# Altium PCB PCB2_bak.PcbDoc
Units mil, origin at the board's own origin, x right, y up, seen from the top; angles counter-clockwise.
Board outline 600 x 1690 mil, 2 copper layers (Top Layer, Bottom Layer), stack 61.756 mil thick; 62 components, 59 nets, 262 pads, 74 vias.
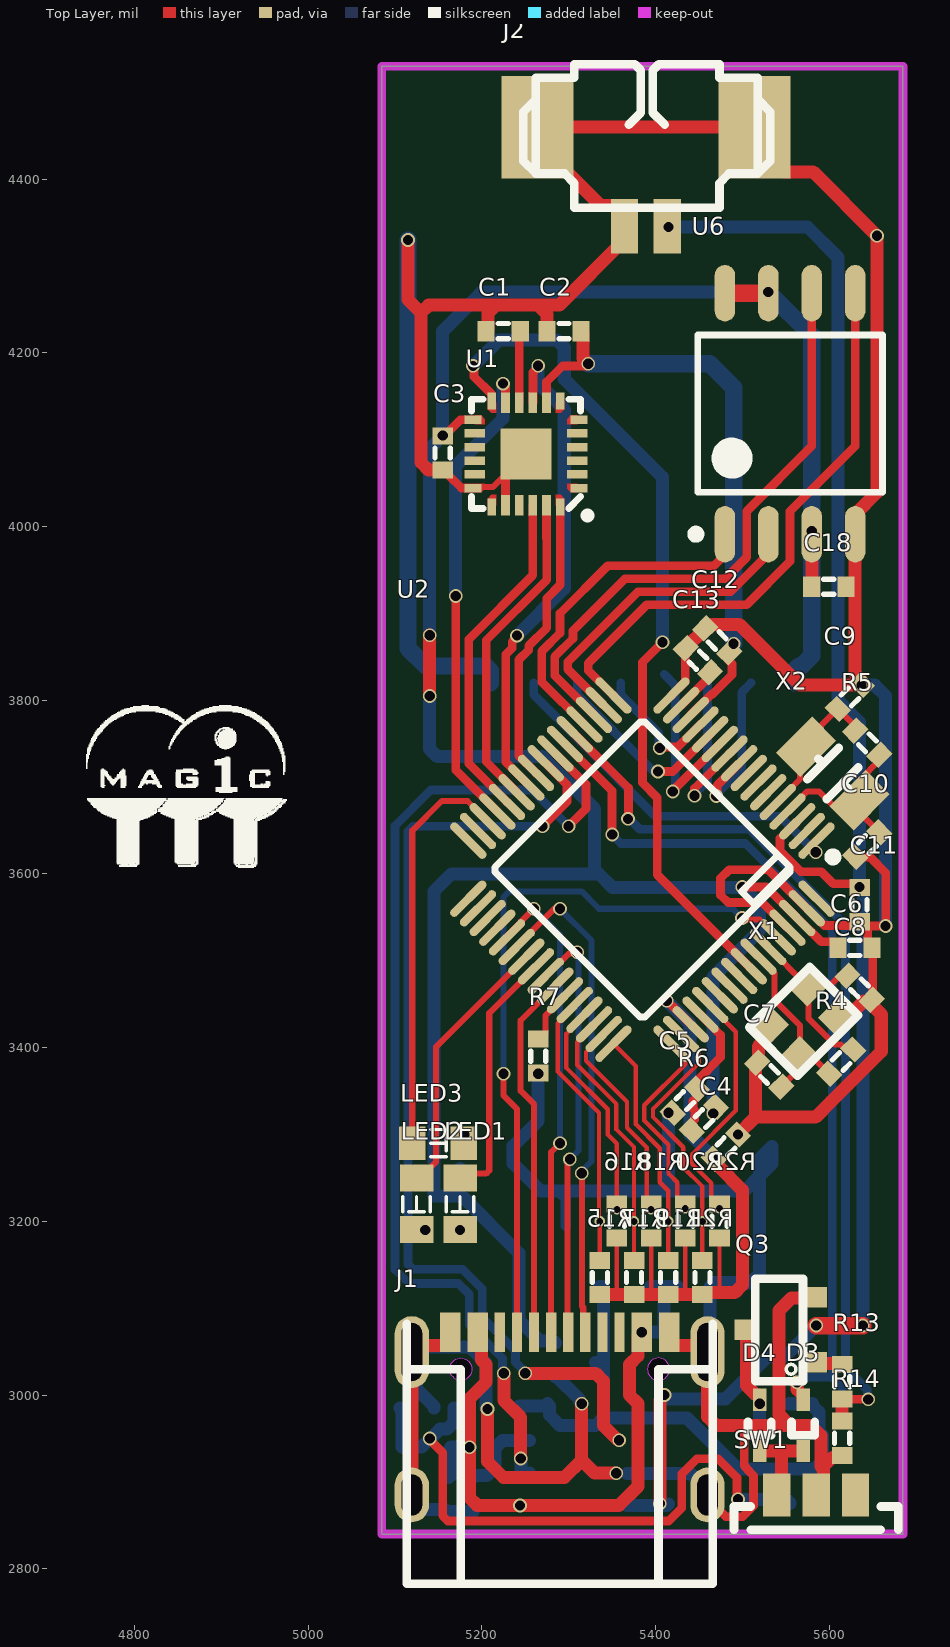
[diagram p0: Top Layer view]
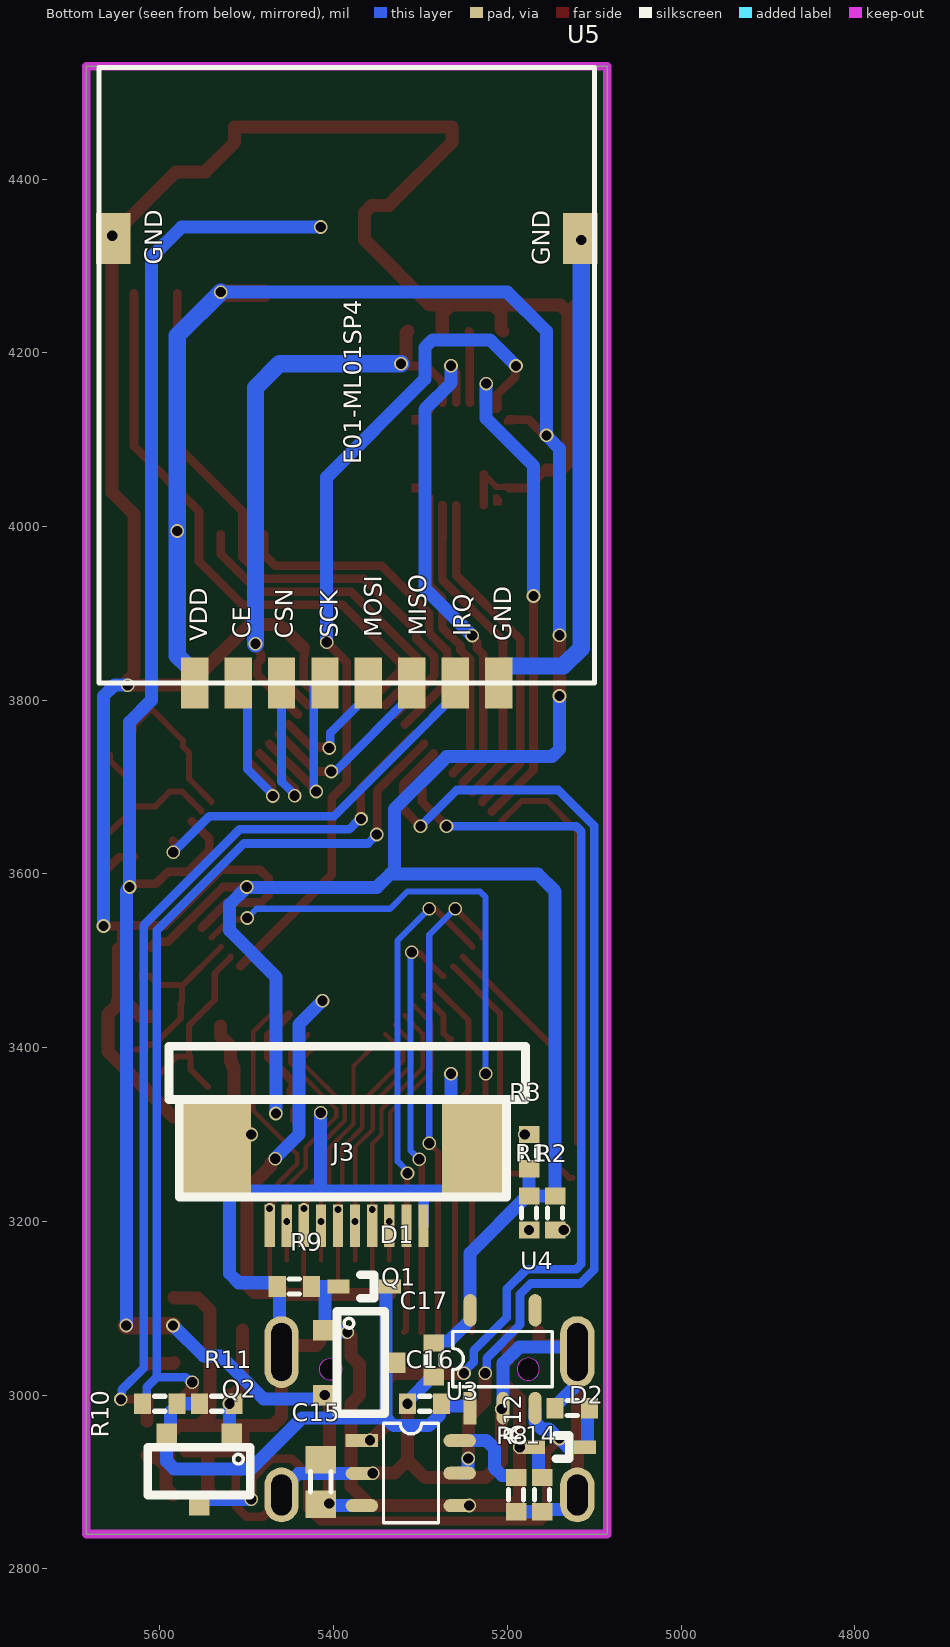
[diagram p1: Bottom Layer view, seen from below]
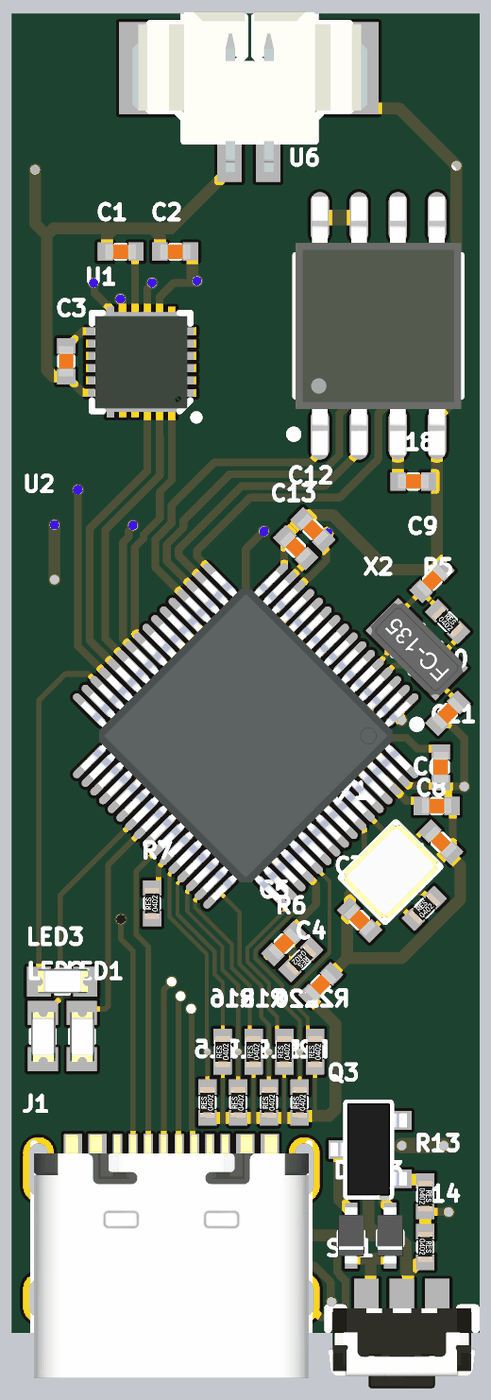
[diagram p2: 3D render of the assembled board from above, using the file's embedded part models]
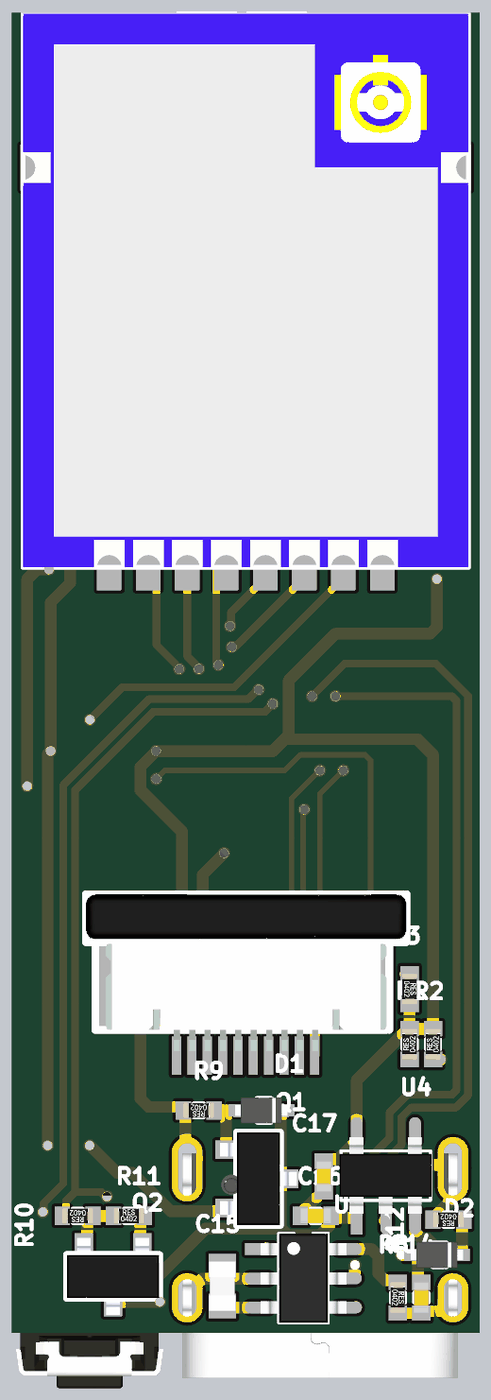
[diagram p3: 3D render of the assembled board from below, using the file's embedded part models]

## Layer stack, top to bottom
Top Solder: solder mask 1, SM-001, Dk 4
Top Layer: signal copper 1.378
Dielectric 1: core 59, Core-043, Dk 4.3
Bottom Layer: signal copper 1.378
Bottom Solder: solder mask 1, SM-001, Dk 4

## Board outline
5085,2840 5085,4530 5685,4530 5685,2840

## Design rules (kind name [scope] priority, off if disabled: settings)
Clearance [All] p1: gap=5 ignorepadtopadclearanceinfootprint=FALSE
PolygonConnect [All] p1: connectstyle=Relief reliefconductorwidth=10 reliefentries=4 polygonreliefangle="90 Angle" airgapwidth=10
RoutingVias [All] p1: holewidth=28 width=50 viastyle="Through Hole" minholewidth=7.87 minwidth=11.81 maxholewidth=28 maxwidth=50
SolderMaskExpansion [All] p1: expansion=4 istentingtop=FALSE
Width [All] p1: maxlimit=40 minlimit=4 preferedwidth=10 minimp=50.000000 maximp=50.000000 favimp=50.000000
30 further rules are at their usual default settings.

## Classes and differential pairs
net class ADC[0..7]: ADC0 ADC1 ADC2 ADC3 ADC4 ADC5 ADC6 ADC7
component class U_W25Q128: C18 U6
component class U_Pressure: J3 R15 R16 R17 R18 R19 R20 R21 R22
component class U_Power: C14 C15 C16 C17 D1 D2 D3 D4 Q1 Q2 Q3 R8 R9 R10 R11 R12 R13 R14 SW1 U3 U4
component class U_NRF24L01_PA_LNA: U5
component class U_NANO103: C4 C5 C6 C7 C8 C9 C10 C11 C12 C13 R4 R5 R6 R7 U2 X1 X2
component class U_ICM_20948: C1 C2 C3 U1
component class Sheet1: J1 J2 LED1 LED2 LED3 R1 R2 R3

## Components (designator, comment, footprint, x,y, rotation, side; value= is the part's Value field where it differs from the comment)
C1 "Cap" CAP_0402 5244.37,4225 r180 top value=0.1uf
C2 "Cap" CAP_0402 5314.37,4225 r180 top value=0.1uf
C3 "Cap" CAP_0402 5155,4104.37 r270 top value=0.1uf
C4 "Cap" CAP_0402 5495,3300 r225 top value=0.1uF
C5 "Cap" CAP_0402 5420,3325 r45 top value=0.1uF
C6 "Cap" CAP_0402 5649.37,3515 r180 top value=0.1uF
C7 "Cap" CAP_0402 5545,3355 r135 top value=22pF
C8 "Cap" CAP_0402 5621.09,3482.84 r315 top value=22pF
C9 "Cap" CAP_0402 5610,3790 r45 top value=22pF
C10 "Cap" CAP_0402 5657.84,3647.84 r225 top value=22pF
C11 "Cap" CAP_0402 5635,3545 r90 top value=0.1uF
C12 "Cap" CAP_0402 5457.16,3882.84 r315 top value=0.1uF
C13 "Cap" CAP_0402 5435,3860 r315 top value=0.1uF
C14 "Cap" CAP_0402 5160,2905 r270 bottom value=1uF
C15 "Cap" Cap_0603 5415,2900 r90 bottom value=10uF
C16 "Cap" CAP_0402 5275.63,2990 r0 bottom value=1uF
C17 "Cap" CAP_0402 5285,3060 r270 bottom value=1uF
C18 "Cap" CAP_0402 5580,3930.71 r0 top value=0.1uF
D1 "B5819WT" SOD-523 5365,3125 r180 bottom
D2 "B5819WT" SOD-523 5140,2940 r180 bottom
D3 "B5819WT" SOD-523 5570,2965 r270 top
D4 "B5819WT" SOD-523 5520,2965 r270 top
J1 "USB TYPE C" USBC-SMD16F 5119.45,2885 r0 top
J2 "Plug2" Terminal_block_2pin_1.25mm_SMD 5390,4460 r0 top
J3 "Plug10" FPC0.5-10PS 5296.57,3195 r0 bottom
LED1 "LED" SMD-0603_LED 5175,3190.55 r90 top
LED2 "LED" SMD-0603_LED 5125,3190.55 r90 top
LED3 "LED" SMD-0603_LED 5179.45,3290 r180 top
Q1 "SI2301DS-T1" SOT-23 5331.26,3037.4 r270 bottom
Q2 "SI2301DS-T1" SOT-23 5555,2875 r0 bottom
Q3 "MMS9013L-TP" SOT-23 5505,3075 r90 top
R1 "Res" RES_0402 5175,3190 r90 bottom value=1K
R2 "Res" RES_0402 5145,3190 r90 bottom value=1K
R3 "Res" RES_0402 5175,3300 r270 bottom value=1K
R4 "Res" RES_0402 5600,3370 r45 top value=1M
R5 "Res" RES_0402 5630,3765 r315 top value=1M
R6 "Res" RES_0402 5469.69,3332.12 r225 top value=0
R7 "Res" RES_0402 5265,3370.63 r90 top value=0
R8 "Res" RES_0402 5190,2905 r270 bottom value=2.2K
R9 "Res" RES_0402 5425.63,3125 r0 bottom value=100K
R10 "Res" RES_0402 5580.63,2990 r0 bottom value=10K
R11 "Res" RES_0402 5554.37,2990 r180 bottom value=100K
R12 "Res" RES_0402 5105.63,2985 r0 bottom value=100K
R13 "Res" RES_0402 5615,3035 r270 top value=2.2K
R14 "Res" RES_0402 5615,2970 r270 top value=10K
R15 "Res" RES_0402 5335.94,3115.63 r90 top value=10K
R16 "Res" RES_0402 5355.63,3180.63 r90 top value=10K
R17 "Res" RES_0402 5375.31,3115.63 r90 top value=10K
R18 "Res" RES_0402 5395,3180.63 r90 top value=10K
R19 "Res" RES_0402 5414.68,3115.63 r90 top value=10K
R20 "Res" RES_0402 5434.37,3180.63 r90 top value=10K
R21 "Res" RES_0402 5454.05,3115.63 r90 top value=10K
R22 "Res" RES_0402 5473.74,3180.63 r90 top value=10K
SW1 "SPST" ST01-111 5630.28,2885 r180 top
U1 "ICM-20948" QFN_24_3X3 5250.94,4083.62 r180 top
U2 "NANO103SD3AE" MCU_LQFP_64_7x7 5385,3605 r225 top
U3 "TP4059" SOT23-6 5342.68,2967.52 r180 bottom
U4 "AP2112K-3.3TRG1" SOT23-5 5262.87,3009.8 r90 bottom
U5 "NRF24L01" NRF24L01P+PA+LNA+IPX 5670.43,4528.66 r180 bottom
U6 "Flash" "8-Pin SOIC 208-mil" 5555,4130 r90 top
X1 "Xtal" 2520S 5610.93,3435.93 r225 top value=12MHz
X2 "Xtal" FC-135 5660.33,3754.32 r135 top value=32.768KHz

## Footprints (in the part's own frame and the unit in brackets; to place one, negate y for a bottom-side part, rotate by r counter-clockwise, add the part's x,y. Pads: shape width x height; smd on the part's side, far side on the other; paste and mask are expansions set on the pad)
"8-Pin SOIC 208-mil" [mm]
  oval 1.65x0.6 smd: 1(-3.525,1.905) 2(-3.525,0.635) 3(-3.525,-0.635) 4(-3.525,-1.905) 5(3.525,-1.905) 6(3.525,-0.635) 7(3.525,0.635) 8(3.525,1.905)
  silkscreen extent -3.65,-2.7 2.3,2.88, body extent -4.2,-2.69 4.2,2.69, height 2.3
2520S [mm]
  rect 0.9x0.8 smd: 1(0,-1.25) 2(1.65,0) ""(0,0) ""(1.65,-1.25)
  silkscreen extent -0.43,-1.63 2.07,0.37, body extent -0.49,-1.69 2.11,0.41, height 0.55
CAP_0402 [mm]
  rect 0.5x0.6 smd: 1(0,0) 2(1,0)
  silkscreen extent 0.35,-0.22 0.65,0.22, body extent 0,-0.25 1,0.25, height 0.48
Cap_0603 [mm]
  rect 0.8x0.9 smd: 1(-0.65,0) 2(0.65,0)
  silkscreen extent -0.3,-0.3 0.3,0.3, body extent -0.8,-0.43 0.8,0.43, height 0.83
FC-135 [mm]
  rect 1x1.5 smd: 1(-0.79,1.7) 2(1.42,1.7)
  silkscreen extent -0.29,1.05 0.92,2.35, body extent -1.28,0.95 1.92,2.45, height 0.8
FPC0.5-10PS [mm]
  rect 0.3x1.25 smd: 1(0,0) 2(0.5,0) 3(1,0) 4(1.5,0) 5(2,0) 6(2.5,0) 7(3,0) 8(3.5,0) 9(4,0) 10(4.5,0)
  rect 2x3 smd: ""(-1.54,-2.325) ""(6.04,-2.32)
  silkscreen extent -2.99,-5.25 7.44,-0.84, body extent -2.99,-5.25 7.44,-0.14, height 2.03
MCU_LQFP_64_7x7 [mm]
  oval 1.4x0.25 smd: 1(-4.2,3) 2(-4.2,2.6) 3(-4.2,2.2) 4(-4.2,1.8) 5(-4.2,1.4) 6(-4.2,1) 7(-4.2,0.6) 8(-4.2,0.2) 9(-4.2,-0.2) 10(-4.2,-0.6) 11(-4.2,-1) 12(-4.2,-1.4) 13(-4.2,-1.8) 14(-4.2,-2.2) 15(-4.2,-2.6) 16(-4.2,-3) 33(4.2,-3) 34(4.2,-2.6) 35(4.2,-2.2) 36(4.2,-1.8) 37(4.2,-1.4) 38(4.2,-1) 39(4.2,-0.6) 40(4.2,-0.2) 41(4.2,0.2) 42(4.2,0.6) 43(4.2,1) 44(4.2,1.4) 45(4.2,1.8) 46(4.2,2.2) 47(4.2,2.6) 48(4.2,3)
  oval 0.25x1.4 smd: 17(-3,-4.2) 18(-2.6,-4.2) 19(-2.2,-4.2) 20(-1.8,-4.2) 21(-1.4,-4.2) 22(-1,-4.2) 23(-0.6,-4.2) 24(-0.2,-4.2) 25(0.2,-4.2) 26(0.6,-4.2) 27(1,-4.2) 28(1.4,-4.2) 29(1.8,-4.2) 30(2.2,-4.2) 31(2.6,-4.2) 32(3,-4.2) 49(3,4.2) 50(2.6,4.2) 51(2.2,4.2) 52(1.8,4.2) 53(1.4,4.2) 54(1,4.2) 55(0.6,4.2) 56(0.2,4.2) 57(-0.2,4.2) 58(-0.6,4.2) 59(-1,4.2) 60(-1.4,4.2) 61(-1.8,4.2) 62(-2.2,4.2) 63(-2.6,4.2) 64(-3,4.2)
  silkscreen extent -4.32,-3.1 3.1,3.8, body extent -4.5,-4.5 4.5,4.5, height 1.55
NRF24L01P+PA+LNA+IPX [mm]
  rect 0.8x1.5 smd: 1(2.805,-18) 2(4.075,-18) 3(5.345,-18) 4(6.615,-18) 5(7.885,-18) 6(9.155,-18) 7(10.425,-18) 8(11.695,-18)
  rect 1x1.5 smd: 9(14.08,-5) 10(0.42,-5)
  silkscreen extent 0,-18 14.5,0, body extent 0,-18 14.5,0, height 2.6
QFN_24_3X3 [mm]
  rect 0.495x0.25 smd paste-1: 1(-1.552,1) 6(-1.552,-1) 18(1.552,1)
  rect 0.6x0.25 smd paste-1: 2(-1.5,0.6) 3(-1.5,0.2) 4(-1.5,-0.2) 5(-1.5,-0.6) 14(1.5,-0.6) 15(1.5,-0.2) 16(1.5,0.2) 17(1.5,0.6)
  rect 0.25x0.495 smd paste-1: 7(-1,-1.552) 24(-1,1.552)
  rect 0.25x0.6 smd paste-1: 8(-0.6,-1.5) 9(-0.2,-1.5) 10(0.2,-1.5) 11(0.6,-1.5) 20(0.6,1.5) 21(0.2,1.5) 22(-0.2,1.5) 23(-0.6,1.5)
  rect 0.25x0.495 smd: 12(1,-1.552) 19(1,1.552)
  rect 0.495x0.25 smd: 13(1.552,-1)
  rect 1.49x1.49 smd: 25(0,0)
  Top Layer region: 1.125,-1.305 1.125,-1.5 0.875,-1.5 0.875,-1.2 1.02,-1.2
  Top Layer region: -0.875,1.2 -1.02,1.2 -1.125,1.305 -1.125,1.5 -0.875,1.5
  Top Layer region: 1.125,1.305 1.02,1.2 0.875,1.2 0.875,1.5 1.125,1.5
  Top Layer region: 1.5,0.875 1.2,0.875 1.2,1.02 1.305,1.125 1.5,1.125
  Top Layer region: 1.5,-1.125 1.305,-1.125 1.2,-1.02 1.2,-0.875 1.5,-0.875
  Top Layer region: -1.2,-1.02 -1.305,-1.125 -1.5,-1.125 -1.5,-0.875 -1.2,-0.875
  Top Layer region: -0.875,-1.5 -1.125,-1.5 -1.125,-1.305 -1.02,-1.2 -0.875,-1.2
  Top Layer region: -1.2,1.02 -1.2,0.875 -1.5,0.875 -1.5,1.125 -1.305,1.125
  silkscreen extent -1.87,-1.6 1.6,1.87, body extent -1.51,-1.5 1.5,1.51, height 0.98
RES_0402 [mm]
  rect 0.5x0.6 smd: 1(0,0) 2(1,0)
  silkscreen extent 0.35,-0.22 0.65,0.22, body extent 0,-0.25 1,0.25, height 0.35
SMD-0603_LED [mm]
  rect 0.78x0.98 smd: 1(0,0) 2(1.51,0)
  silkscreen extent 0.52,-0.4 0.97,0.4, body extent -0.08,-0.41 1.54,0.45, height 0.6
SOD-523 [mm] "SODFL, 2-Leads, Body 0.80x1.60mm, IPC Medium Density"
  rect 0.65x0.4 smd: 1(-0.75,0) 2(0.75,0)
  silkscreen extent -0.11,-0.34 0.29,0.34, body extent -0.92,-0.42 0.91,0.42, height 0.71
SOT23-5 [mm]
  rect 0.95x0.38 smd: 1(-0.63,-0.51)
  oval 0.95x0.38 smd: 2(-0.63,-1.47) 3(-0.63,-2.41) 4(2.23,-2.41) 5(2.23,-0.51)
  silkscreen extent 0,-2.91 1.61,0, body extent -0.44,-2.95 2.06,0.05, height 1.09
SOT23-6 [mm]
  rect 0.95x0.38 smd: 1(-0.63,-0.51)
  oval 0.95x0.38 smd: 2(-0.63,-1.47) 3(-0.63,-2.41) 4(2.23,-2.41) 5(2.227,-1.461) 6(2.23,-0.51)
  silkscreen extent 0,-2.91 1.61,0, body extent -0.59,-2.91 2.21,-0.01, height 1.45
SOT-23 [mm]
  rect 0.6x0.7 smd: 1(-0.95,-2) 2(0.95,-2) 3(0,0)
  silkscreen extent -1.5,-1.65 1.5,-0.25, body extent -1.5,-2.2 1.5,0.3, height 1.05
ST01-111 [mm]
  rect 0.8x1.25 smd: 1(0,0) 1(2.3,0) 2(1.15,0)
  silkscreen extent -1.25,0.34 3.55,1.02, body extent -1.25,0.34 3.55,2.94, height 1.05
Terminal_block_2pin_1.25mm_SMD [mm]
  rect 0.8x1.6 smd: 1(-0.65,-2.9) 2(0.6,-2.9)
  rect 2.1x3 smd: ""(-3.2,0) ""(3.15,0)
  silkscreen extent -3.61,-2.36 3.61,1.84, body extent -3.83,-3.37 3.82,1.83, height 3.4
USBC-SMD16F [mm]
  rect 0.6x1.15 smd: 1(1.125,4.76) 2(1.925,4.76) 11(6.725,4.76) 12(7.525,4.76)
  rect 0.3x1.15 smd: 3(2.575,4.76) 4(3.075,4.76) 5(3.575,4.76) 6(4.075,4.76) 7(4.575,4.76) 8(5.075,4.76) 9(5.575,4.76) 10(6.075,4.76)
  oval 1x1.6 hole 0.6 slot 1.2 at 90 deg: ""(0,0) ""(8.65,0)
  oval 1x2.1 hole 0.6 slot 1.7 at 90 deg: ""(0,4.18) ""(8.65,4.18)
  Keep-Out Layer board cut-out: 6.89,3.68 6.915,3.556 6.985,3.45 7.091,3.38 7.215,3.355 7.215,3.355 7.339,3.38 7.445,3.45 7.515,3.556 7.54,3.68 7.54,3.68 7.515,3.804 7.445,3.91 7.339,3.98 7.215,4.005 7.215,4.005 7.091,3.98 6.985,3.91 6.915,3.804 6.89,3.68
  Keep-Out Layer board cut-out: 1.435,3.355 1.311,3.38 1.205,3.45 1.135,3.556 1.11,3.68 1.11,3.68 1.135,3.804 1.205,3.91 1.311,3.98 1.435,4.005 1.435,4.005 1.559,3.98 1.665,3.91 1.735,3.804 1.76,3.68 1.76,3.68 1.735,3.556 1.665,3.45 1.559,3.38 1.435,3.355
  Keep-Out Layer pour cut-out: 1.31,3.87
  silkscreen extent -0.15,-2.6 8.8,5, body extent -0.15,-2.6 8.8,5.3, height 3.16

## Part data
D1 D2 D3 D4: "Diode Schottky 40V 1A 2-Pin SOD-523 T/R", Average Rectified Current=1A, Forward Voltage=550mV, Manufacturer=MCC, Manufacturer Part Number=B5819W-TP, Max Forward Surge Current (Ifsm)=10A, Max Operating Temperature=125°C, Max Power Dissipation=250mW, Max Repetitive Reverse Voltage (Vrrm)=40V, Max Reverse Voltage (DC)=20V, Min Operating Temperature=-65°C, Package Quantity=3000, Peak Reverse Current=1mA, Category="Rectifier Diodes", ComponentLink1Description=https://datasheet.ciiva.com/6378/b5817w-b5819wsod-123-6378255.pdf?src-supplier=Digi-Key, ComponentLink1URL=https://datasheet.ciiva.com/6378/b5817w-b5819wsod-123-6378255.pdf?src-supplier=Digi-Key, Element Configuration=Single, Forward Current=1A, Mount="Surface Mount", Packaging="Tape and Reel", Pricing 1="1=0.38000, 10=0.28000, 25=0.24520, 100=0.13300, 250=0.13232, 500=0.10850, 1000=0.08050 (USD)", Reverse Voltage (DC)=40V, RoHS=Yes, Stock 1=1380, Supplier 1=Digi-Key, Supplier Part Number 1=B5819WT
J1: "USB Shielded I/O Receptacle; Type C; Right Angle; Surface Mount; Gold over Nickel", Case/Package=0101, Current Rating=5A, Flammability Rating="UL94 V-0", Insulation Color=Black, Manufacturer=Molex, Manufacturer Part Number=105450-0101, Max Operating Temperature=85°C, Min Operating Temperature=-30°C, Supplier Part Number 1=WM12856DKR-ND, Category=Connectors, ComponentLink1Description=http://www.farnell.com/datasheets/2801634.pdf?src-supplier=Farnell, ComponentLink1URL=http://www.farnell.com/datasheets/2801634.pdf?src-supplier=Farnell, ComponentLink2Description=http://www.farnell.com/datasheets/2672741.pdf?src-supplier=Newark, ComponentLink2URL=http://www.farnell.com/datasheets/2672741.pdf?src-supplier=Newark, ComponentLink3Description=http://www.farnell.com/datasheets/2015275.pdf?src-supplier=Element14, ComponentLink3URL=http://www.farnell.com/datasheets/2015275.pdf?src-supplier=Element14, ComponentLink4Description=https://www.molex.com/pdm_docs/ps/PS-105448-001.pdf?src-supplier=Digi-Key, ComponentLink4URL=https://www.molex.com/pdm_docs/ps/PS-105448-001.pdf?src-supplier=Digi-Key, ComponentLink5Description=http://www.farnell.com/datasheets/2801634.pdf?src-supplier=Newark, ComponentLink5URL=http://www.farnell.com/datasheets/2801634.pdf?src-supplier=Newark, ComponentLink6Description=https://www.molex.com/pdm_docs/sd/1054500101_sd.pdf?src-supplier=Digi-Key, ComponentLink6URL=https://www.molex.com/pdm_docs/sd/1054500101_sd.pdf?src-supplier=Digi-Key, ComponentLink7Description=http://www.farnell.com/datasheets/2801634.pdf?src-supplier=Element14, ComponentLink7URL=http://www.farnell.com/datasheets/2801634.pdf?src-supplier=Element14, ComponentLink8Description=http://www.literature.molex.com/SQLImages/kelmscott/Molex/PDF_Images/987651-4081.PDF?src-supplier=Avnet, ComponentLink8URL=http://www.literature.molex.com/SQLImages/kelmscott/Molex/PDF_Images/987651-4081.PDF?src-supplier=Avnet, ComponentLink9Description=http://www.literature.molex.com/SQLImages/kelmscott/Molex/PDF_Images/987651-4081.PDF?src-supplier=Avnet+Asia, ComponentLink9URL=http://www.literature.molex.com/SQLImages/kelmscott/Molex/PDF_Images/987651-4081.PDF?src-supplier=Avnet+Asia, Connector Type=USB, Contact Material="Copper Alloy", Contact Plating=Gold, Features=Shielded, Gender=Receptacle, Housing Material=Thermoplastic, Length=8.94mm, Mating Cycles=10000, Mount="Surface Mount,Through Hole,Horizontal", Number of Contacts=24, Number of Pins=24, Number of Ports=1, Number of Terminals=24, Orientation="Right Angle", Packaging="Tape and Reel", Pitch=0.5mm, Pricing 1="1=2.15000, 10=1.94900, 25=1.82960, 50=1.75000, 100=1.67050, 250=1.51140, 500=1.39208 (USD)", REACH SVHC=Unknown, RoHS=Yes, Shielding=Shielded, Stock 1=21711, Supplier 1=Digi-Key, Termination=Solder, USB Standard="USB 3.1"
Q1 Q2: "Trans MOSFET P-CH 20V 2.3A 3-Pin TO-236 T/R", Case/Package=SOT-23-3, Continuous Drain Current (ID)=2.3A, Drain to Source Resistance=130mR, Drain to Source Voltage (Vdss)=-20V, Gate to Source Voltage (Vgs)=8V, Manufacturer="Vishay Siliconix", Max Operating Temperature=150°C, Max Power Dissipation=1.25W, Min Operating Temperature=-55°C, Package Quantity=3000, Category=MOSFETs, ComponentLink1Description=https://datasheet.ciiva.com/13048/70627-115154-13048148.pdf?src-supplier=Mouser, ComponentLink1URL=https://datasheet.ciiva.com/13048/70627-115154-13048148.pdf?src-supplier=Mouser, Element Configuration=Single, Fall Time=36ns, Height=1.02mm, Length=3.04mm, Manufacturer Part Number=SI2301DS-T1, Mount="Surface Mount", Number of Channels=1, Number of Elements=1, Number of Pins=3, Packaging="Tape and Reel", Polarity=P-CH, Power Dissipation=1.25W, Pricing 1="143=0.17500, 500=0.15000, 1000=0.10000, 5000=0.09000, 10000=0.08000 (USD)", Rise Time=36ns, RoHS=No, Stock 1=12531, Supplier 1="Component Sense", Supplier Part Number 1=SI2301DS-T1, Turn-Off Delay Time=42ns, Turn-On Delay Time=13ns, Weight=0.050717oz, Width=1.4mm
Q3: "Trans GP BJT NPN 25V 0.5A 3-Pin SOT-23 T/R", Case/Package=SOT-23, Collector Base Voltage (VCBO)=40V, Collector Emitter Voltage (VCEO)=25V, Emitter Base Voltage (VEBO)=5V, Frequency=150MHz, Manufacturer=MCC, Max Operating Temperature=150°C, Min Operating Temperature=-55°C, Power Dissipation=300mW, Supplier Part Number 1=MMS9013-L-TP, Category=BJTs, ComponentLink1Description=http://components.arrow.com/part/dataview/51062823S110403N2022?src-supplier=Arrow, ComponentLink1URL=http://components.arrow.com/part/dataview/51062823S110403N2022?src-supplier=Arrow, Manufacturer Part Number=MMS9013L-TP, Mount="Surface Mount", Number of Elements=1, Number of Pins=3, Packaging="Tape and Reel", Polarity=NPN, RoHS=Yes, Supplier 1=Arrow
SW1: library part Switch_Button1
U1: "Accelerometer, Gyroscope, Magnetometer, 9 Axis Sensor IÂ²C, SPI Output", Package="QFN-24 InvenSense", Availability=Unavailable, MF="TDK InvenSense", MP=ICM-20948, Price=None, SnapEDA_Link=https://www.snapeda.com/parts/ICM-20948/TDK%20InvenSense/view-part/578927/?ref=snap
U3: "600MA SOT23-6", ComponentLink1Description=Datasheet, ComponentLink1URL=http://www.tp-asic.com/res/tp-asic/pdres/201403/TP4059.pdf
U4: "IC REG LINEAR 3.3V 600MA SOT23-5", Case/Package=SOT-23-5, Dropout Voltage=250mV, Manufacturer=Diodes, Max Input Voltage=6V, Max Operating Temperature=85°C, Max Output Current=600mA, Min Input Voltage=2.5V, Min Operating Temperature=-40°C, Output Voltage=3.3V, Package Quantity=1, Quiescent Current=55uA, Supplier Part Number 1=AP2112K-3.3TRG1DICT-ND, Accuracy=1.5%, Category="Voltage Regulators - Linear", ComponentLink1Description=https://datasheet.ciiva.com/29569/ap2112-29569919.pdf?src-supplier=Digi-Key, ComponentLink1URL=https://datasheet.ciiva.com/29569/ap2112-29569919.pdf?src-supplier=Digi-Key, ComponentLink2Description=https://datasheet.ciiva.com/30016/ap2112-30016792.pdf?src-supplier=Avnet, ComponentLink2URL=https://datasheet.ciiva.com/30016/ap2112-30016792.pdf?src-supplier=Avnet, ComponentLink3Description=https://datasheet.ciiva.com/29569/ap2112-29569917.pdf?src-supplier=Digi-Key, ComponentLink3URL=https://datasheet.ciiva.com/29569/ap2112-29569917.pdf?src-supplier=Digi-Key, ComponentLink4Description=https://datasheet.ciiva.com/29569/ap2112-29569918.pdf?src-supplier=Digi-Key, ComponentLink4URL=https://datasheet.ciiva.com/29569/ap2112-29569918.pdf?src-supplier=Digi-Key, Height=1.3mm, Lead Free="Lead Free", Length=3.1mm, Manufacturer Part Number=AP2112K-3.3TRG1, Mount="Surface Mount", Number of Outputs=1, Number of Pins=5, Number of Regulators=1, Output Current=600mA, Output Type=Fixed, Packaging="Tape and Reel", Polarity=Positive, Pricing 1="1=0.47000, 10=0.35500, 25=0.32000, 100=0.17450, 250=0.16872, 500=0.15126, 1000=0.11636 (USD)", RoHS=Yes, Stock 1=54786, Supplier 1=Digi-Key, Width=1.7mm
U5: library part NRF24L01_module
U6: library part W25QXX
U2: OriginalSymbolOrigin=(0,0)

## Via types
v1: diameter 15.75, hole 11.81, Top Layer to Bottom Layer, tented both sides, 66 vias
v2: diameter 11.81, hole 7.87, Top Layer to Bottom Layer, tented both sides, 8 vias

## Nets (pads, with @x,y where several pads share a name; then routed paths per layer and width w, separated by ;. In a path a pad name is that pad's centre, name@x,y a point inside that pad or via, vN(x,y) a via of type N, cw(c..) or ccw(c..) an arc to the next point about the centre after c; other vN are vias at no path point)
12M_I: C7.1 R4.1 U2.58 X1.2 | length 221.7
  Top Layer w7: U2.58 5518.63,3504.01 5536.92,3485.72 5536.92,3455.16 5566.39,3425.68 5566.39,3391.39 X1.2 ; C7.1 5565,3375 X1.2 ; R4.1 5580,3390 X1.2
12M_O: C8.1 R4.2 U2.59 X1.1 | length 219.8
  Top Layer w7: U2.59 5574.94,3470.73 X1.1 ; C8.1 5612.12,3482.84 5601.41,3472.12 5577.53,3472.12 X1.1 ; R4.2 5618.87,3397.84 5612.94,3403.77 5606.02,3403.77 5576.14,3433.66 5576.14,3450.63 5574.74,3452.02 5574.74,3469.34 X1.1
/RESET: J1.4 U2.60 | length 847.8
  Top Layer w7: v1(5225,3370) 5225,3345 5240.51,3329.49 J1.4 ; v1(5499.63,3549.25) 5500,3549.25 5501.67,3547.58 5519.6,3547.58 5540.13,3527.05 U2.60
  Bottom Layer w7: v1(5225,3370) 5225,3573.16 5231.84,3580 5315,3580 5335,3560 5488.88,3560 v1(5499.63,3549.25)
ADC0: J3.3 R15.2 U2.44 | length 322.3
  Top Layer w5: U2.44 5307.05,3447.79 5287.42,3428.16 5287.42,3372.58 5335,3325 5335,3200.95 v2(5335.94,3200) R15.2
ADC1: J3.4 R16.2 U2.45 | length 250.7
  Top Layer w5: U2.45 5318.19,3436.66 5297.42,3415.89 5297.42,3376.73 5345,3329.14 5345,3300 5355.63,3289.37 R16.2
  other v2: 5355.63,3213.7
ADC2: J3.5 R17.2 U2.46 | length 306.9
  Top Layer w5: U2.46 5329.32,3425.52 5310,3406.2 5310,3380 5355,3335 5355,3305.86 5375.31,3285.54 v2(5375.31,3200) R17.2
ADC3: J3.6 R18.2 U2.47 | length 235.2
  Top Layer w5: U2.47 5340.46,3415.46 5320,3395 5320,3385 5326.71,3378.29 5367.19,3337.81 5367.19,3307.81 5390,3285 5390,3225 R18.2
  other v2: 5395,3213.7
ADC4: J3.7 R19.2 U2.48 | length 275.7
  Top Layer w5: U2.48 5377.19,3378.96 5377.19,3311.95 5405,3284.14 5405,3245 5414.69,3235.32 v2(5414.69,3200) R19.2
ADC5: J3.8 R20.2 U2.49 | length 231.3
  Top Layer w5: U2.49 5434.27,3388.69 5434.27,3380.73 5387.19,3333.64 5387.19,3316.1 5415,3288.28 5415,3255 5425.06,3244.94 5425.06,3227.34 5432.4,3220 R20.2
  other v2: 5434.37,3215
ADC6: J3.9 R21.2 U2.50 | length 314.6
  Top Layer w5: U2.50 5429.54,3414.39 5450,3393.93 5450,3382.31 5397.19,3329.5 5397.19,3320.24 5432.01,3285.42 5432.01,3262.13 5454.06,3240.09 v2(5454.06,3200) R21.2
ADC7: J3.10 R22.2 U2.53 | length 276.6
  Top Layer w5: U2.53 5462.95,3447.79 5492.5,3418.24 5492.5,3327.62 5442.01,3277.13 5442.01,3266.28 5464.43,3243.86 5464.43,3227.34 5471.77,3220 R22.2
  other v2: 5473.74,3215
AVDD: C5.2 R6.2 U2.52 | length 161.9
  Top Layer w10: R6.2 5440.46,3305.68 5440.46,3312.52 5445.31,3317.38 5445.31,3327.75 5443.17,3329.89 5443.17,3338.54 5449.23,3344.6 5449.23,3351.45 C5.2 5446.81,3353.86 5446.81,3360.71 5475,3388.9 5475,3414.67 5451.81,3437.86 U2.52
AVSS: R7.2 U2.43 | length 64.2
  Top Layer w7: R7.2 5266.97,3410 5273.31,3416.34 5273.31,3436.86 5295.92,3459.47 U2.43
CE: U2.9 U5.2 | length 195.1
  Top Layer w10: v1(5470.14,3689.86) 5471.24,3690.96 5471.24,3702.26 5496.36,3727.38 U2.9
  Bottom Layer w10: v1(5470.14,3689.86) 5470.14,3691.42 5499.25,3720.53 5499.25,3809.25 U5.2
ICE_CLK: J1.5 U2.42 | length 422
  Top Layer w7: J1.5 5260.2,3334.8 5244.69,3350.31 5244.69,3431.28 U2.42
ICE_DAT: J1.7 U2.41 | length 491.6
  Top Layer w7: U2.41 5274.41,3482.51 5300.23,3508.33 5308.33,3508.33 v1(5310,3510) ; J1.7 5298.63,3073.34 5298.63,3268.63 v1(5301.47,3271.47)
  Bottom Layer w7: v1(5301.47,3271.47) 5311.37,3281.37 5311.37,3508.63 v1(5310,3510)
INT: U2.1 U5.7 | length 432.4
  Top Layer w10: v1(5584.63,3625) 5578.39,3631.24 5578.39,3631.35 U2.1
  Bottom Layer w10: U5.7 5260,3806.22 5313.72,3752.5 5399.72,3666.5 5543.13,3666.5 v1(5584.63,3625)
INT1: U1.12 U2.57 | length 990
  Top Layer w10: v1(5190,4185) 5191.1,4183.9 5191.1,4172.68 5211.5,4152.28 5211.5,4144.82 U1.12 ; v1(5408.11,3866.89) 5385,3843.79 5385,3705 5402.13,3687.87 5402.13,3599.01 U2.57
  Bottom Layer w15: v1(5190,4185) 5220,4215 5286.21,4215 5295,4206.21 5295,4170 5408.11,4056.89 v1(5408.11,3866.89)
LDO: C2.1 C12.2 U1.8 U2.14 | length 689.9
  Top Layer w10: U1.8 5274.65,4142.76 5274.65,4166.56 5293.09,4185 5320,4185 v1(5322.55,4187.55) ; U2.14 5440.79,3783.17 5464.47,3806.85 5465.59,3806.85 5488.15,3829.41 5488.15,3842.22 5483.61,3846.76 5483.61,3853.61 C12.2
  Top Layer w15: C2.1 5316.71,4222.66 5316.71,4193.59 5322.55,4187.75 v1(5322.55,4187.55)
  Bottom Layer w20: v1(5322.55,4187.55) 5462.45,4187.55 5490,4160 v1(5490,3865)
NetC1_1: C1.1 U1.10 | length 82.9
  Top Layer w10: U1.10 5243.15,4142.76 5243.15,4223.78 C1.1
NetC13_2: C13.2 U2.15 | length 51.6
  Top Layer w10: U2.15 5429.54,3794.42 5462.84,3827.71 C13.2
NetC14_1: C14.1 D1.1 D2.1 J1.2 J1.11 Q1.1 R9.1 U3.4 | length 748.1
  Top Layer w15: J1.2 5199.55,3068.09 5199.55,3040.45 5205,3035 5205,3015 5185.99,2995.99 5185.99,2940.07 v1(5185.85,2939.93) 5185.85,2881.8 5194.63,2873.02 5243.79,2873.02 v1(5243.93,2872.87) 5357.87,2872.87 5380,2895 5380,2990 5370,3000 5370,3035 5379.9,3044.9 5379.9,3068.09 v1(5384.21,3072.4)
  Bottom Layer w15: C14.1 5161.97,2905 5164.31,2907.34 5164.31,2939.63 5164.69,2940 D2.1 ; v1(5384.21,3072.4) 5384.36,3072.54 5407.74,3072.54 Q1.1 5410.08,3074.88 5410.08,3125 ; D1.1 5410.08,3125 ; R9.1 5410.08,3125
NetC16_1: C16.1 D1.2 Q1.3 Q2.2 R10.1 R11.1 U4.1 | length 667.8
  Bottom Layer w15: U4.1 5242.8,2987.48 5273.29,2987.5 5275.63,2989.84 C16.1 5277.97,2987.66 5277.97,2977.03 5290,2965 5331.21,2965 5340,2973.79 ; Q1.3 5333.23,3037.4 5337.54,3033.09 5337.54,3031.12 Q1.3@5340,3028.66 ; D1.2 5339.63,3125 5340,3124.63 Q1.3@5340,3028.66 ; R11.1 R10.1 5580.63,2988.03 5588.09,2980.57 5588.09,2958.05 Q2.2 5592.4,2923.79 5583.61,2915 5495,2915 5436.21,2973.79 5340,2973.79 ; 5340,2973.79 Q1.3@5340,3028.66
NetD2_2: D2.2 Q2.3 R12.1 U4.3 | length 719.9
  Top Layer w10: v1(5140,2950) 5140,2948.44 5155,2933.44 5155,2860.86 5160.86,2855 5415.31,2855 5430.31,2870 5430.31,2909.11 5447.7,2926.5 5472.3,2926.5 5493.9,2904.89 5493.9,2881.1 v1(5495,2880)
  Bottom Layer w15: R12.1 5107.97,2982.66 5107.97,2940.37 5108.35,2940 D2.2 5110.85,2940.37 5130.84,2940.37 5139.86,2949.39 5139.86,2949.65 5139.96,2949.76 v1@5140.24,2949.76 ; v1@5140.59,2949.41 5151.87,2960.69 5160.02,2960.69 5167.97,2968.64 U4.3 ; v1(5495,2880) 5550.69,2880 5555,2875.69 Q2.3
NetD3_2: D3.2 D4.2 SW1.1@5539.72,2885 | length 102.7
  Top Layer w15: D4.2 5545,2935.47 ; SW1.1@5539.72,2885 5545,2890.28 5545,2935.47 ; D3.2 5545,2935.47
NetD4_1: D4.1 Q2.1 Q3.3 R11.2 | length 129.8
  Top Layer w15: 5505,3010.9 5516.08,2999.82 5519.63,2999.82 5520,2999.45 D4.1 v1(5520,2990) ; 5505,3011.63 Q3.3
  Bottom Layer w15: Q2.1 5520,2956.14 v1(5520,2990)
NetLED1_1: LED1.1 R1.1
  other v1: 5175,3190
NetLED2_1: LED2.1 R2.1
  other v1: 5135,3190
NetLED3_1: LED3.1 R3.1
  other v1: 5180,3300
NetQ3_2: Q3.1 R13.1 | length 32.3
  Top Layer w15: Q3.1 5585.04,3036.3 5613.7,3036.3 R13.1
NetR8_1: R8.1 U3.6 | length 95.7
  Bottom Layer w15: R8.1 5192.34,2907.34 5206.21,2907.34 5215,2916.13 5215,2938.65 5223.79,2947.44 U3.6
PA12_PWM0: LED1.2 U2.40 | length 294.5
  Top Layer w7: LED1.2 5180,3255 5205,3255 5208.63,3258.63 5208.63,3439.76 U2.40
PA13_PWM1: LED2.2 U2.39 | length 309.4
  Top Layer w7: LED2.2 5128.94,3250 5147.21,3268.27 5147.21,3400.62 U2.39
PB11_PWM4: LED3.2 U2.30 | length 470.6
  Top Layer w7: LED3.2 5120,3650 5154,3684 5183.56,3684 U2.30 U2.30
PD6: R13.2 R14.1 U2.21 | length 1037.1
  Top Layer w10: U2.21 5368.9,3699.05 5368.9,3666.1 5368.42,3665.62 v1(5368.42,3663.42) ; R13.2 5615.31,2995.32 5644.69,2995.32 v1(5645,2995)
  Top Layer w15: R14.1 R13.2
  Bottom Layer w10: v1(5368.42,3663.42) 5369.98,3663.42 5381.9,3651.5 5508.27,3651.5 5575,3584.78 ; 5575,3584.77 5618.74,3541.03 5618.74,3031.26 5643.9,3006.1 5643.9,2996.1 v1(5645,2995)
PD7: D3.1 R10.2 U2.22 | length 1044.3
  Top Layer w10: U2.22 5350,3695.68 5350,3645.75 v1(5350.37,3645.37)
  Top Layer w15: v1(5562.86,3014.68) 5563,3014.54 5563,3006.45 5570,2999.45 D3.1
  Bottom Layer w10: v1(5350.37,3645.37) 5350.37,3645 5360.37,3635 5503.56,3635 5560,3578.56 5603.74,3534.82 5603.74,3026.26 5603.74,3020.54 ; v1(5562.86,3014.68) 5564.41,3014.68 5570.27,3020.54 5603.74,3020.54 ; R10.2 5615.16,2994.84 5615.16,3009.13 5603.74,3020.54
PD14: U2.23 U3.5 | length 1189.5
  Top Layer w10: U2.23 5320,3703.41 5320,3675 v1(5300,3655)
  Top Layer w15: v1(5225.37,3025) 5225.52,3024.86 5225.52,2993.77 5244.86,2974.43 5244.86,2927.19 v1(5245,2927.05)
  Bottom Layer w10: v1(5225.37,3025) 5223.9,3026.47 5223.9,3042.45 5185.47,3080.88 5185.47,3116.06 5173.07,3128.46 5116.19,3128.46 5100,3144.64 5100,3655.36 5141.35,3696.7 5258.3,3696.7 v1(5300,3655)
  Bottom Layer w15: v1(5245,2927.05) 5245.14,2926.9 5245.14,2910.02 U3.5
PD15: U2.24 U3.1 | length 1135.2
  Top Layer w10: v1(5270,3655) 5298.2,3683.2 5298.2,3702.82 5273.64,3727.38 U2.24
  Top Layer w15: v1(5250,3025) 5331.21,3025 5340,3016.21 5340,2965 5356.78,2948.22 5358.02,2948.22 v1(5358.16,2948.08)
  Bottom Layer w10: v1(5250,3025) 5250,3026.56 5238.9,3037.66 5238.9,3051.1 5200.72,3089.28 5200.72,3122.02 5177.74,3145 5120.86,3145 5115,3150.86 5115,3649.14 5120.86,3655 v1(5270,3655)
PE5: U1.11 U2.29 | length 558.4
  Top Layer w10: v1(5170,3920) 5170,3719.78 U2.29 ; v1(5224.43,4164.63) 5224.43,4163.07 5227.24,4160.26 5227.24,4142.76 U1.11
  Bottom Layer w15: v1(5170,3920) 5170,4070 5224.43,4124.43 v1(5224.43,4164.63)
RX0: J1.8 U2.38 | length 577.6
  Top Layer w7: U2.38 5240.24,3516.68 5283.55,3560 v1(5290,3560) ; v1(5315,3255.37) 5315,3250 5315.63,3249.37 5315.63,3102.27 5316.85,3101.05 5316.85,3074.81 J1.8
  Bottom Layer w7: v1(5290,3560) 5326.37,3523.63 5326.37,3269.12 5315,3257.74 v1(5315,3255.37)
SPI0_MISO: U1.9 U2.26 | length 575
  Top Layer w10: v1(5240.54,3874.46) 5240.54,3872.9 5234.94,3867.3 5234.94,3859.94 5227.72,3852.72 5227.72,3728.99 5251.37,3705.33 U2.26 ; U1.9 5258.9,4142.76 5258.9,4177.62 5264.86,4183.58 v1(5264.86,4185.14)
  Bottom Layer w15: v1(5240.54,3874.46) 5295,3928.92 5295,4135 5264.86,4165.14 v1(5264.86,4185.14)
SPI0_MOSI: U1.24 U2.25 | length 334.1
  Top Layer w10: U2.25 5262.51,3716.47 5242.72,3736.26 5242.72,3846.5 5254.08,3857.87 5254.08,3862.72 5275,3883.64 5275,3917.57 5290.31,3932.89 U1.24
SPI0_SCLK: U1.23 U2.27 | length 374.3
  Top Layer w10: U2.27 5240.24,3694.2 5205,3729.43 5205,3868.79 5275,3938.79 5275,3986.2 5274.65,3986.55 5274.65,4024.49 U1.23
SPI0_SS: U1.22 U2.28 | length 390.5
  Top Layer w10: U2.28 5229.1,3683.06 5185,3727.16 5185,3870 5258.82,3943.82 U1.22
SPI1_MISO: U2.18 U6.2 | length 372.1
  Top Layer w10: U2.18 5340.46,3794.42 5299.08,3835.79 5299.08,3844.08 5380,3925 5383.79,3925 5486.51,3925 5530,3968.49 U6.2
SPI1_MOSI: U2.17 U6.5 | length 670
  Top Layer w10: U2.17 5322.66,3834.37 5322.66,3842.66 5390,3910 5505,3910 5555,3960 5555,4017.74 5630,4092.74 U6.5
SPI1_SCLK: U2.19 U6.6 | length 694.5
  Top Layer w10: U2.19 5284.08,3828.41 5284.08,3850.29 5305,3871.21 5305,3880 5365,3940 5377.57,3940 5480.29,3940 5505,3964.71 5505,4017.74 5580,4092.74 U6.6
SPI1_SS: U2.20 U6.1 | length 398.6
  Top Layer w10: U2.20 5269.08,3821.14 5269.08,3856.51 5290,3877.43 5290,3900 5345,3955 5467.33,3955 5480,3967.67 U6.1
SPI2_MISO: U2.12 U5.6 | length 221
  Top Layer w10: v1(5402.87,3718.09) 5420.03,3718.09 5462.84,3760.9 U2.12
  Bottom Layer w10: U5.6 5310,3806.22 5397.04,3719.19 5401.03,3719.19 5402.13,3718.09 v1(5402.87,3718.09)
SPI2_MOSI: U2.13 U5.5 | length 151.7
  Top Layer w10: v1(5405,3745) 5406.1,3746.1 5425.77,3746.1 5451.7,3772.03 U2.13
  Bottom Layer w10: U5.5 5360,3806.22 5403.9,3762.32 5403.9,3746.1 v1(5405,3745)
SPI2_SCLK: U2.11 U5.4 | length 218.7
  Top Layer w10: v1(5420,3695) 5420,3695.68 U2.11
  Bottom Layer w10: U5.4@5410,3830 5422.87,3817.13 5422.87,3697.87 v1(5420,3695)
SPI2_SS: U2.10 U5.3 | length 201.5
  Top Layer w10: v1(5445,3690) 5445,3698.41 U2.10
  Bottom Layer w10: v1(5445,3690) 5445,3691.56 5460,3706.56 U5.3
TX0: J1.6 U2.37 | length 550
  Top Layer w7: U2.37 5229.1,3529.1 v1(5260,3560) ; J1.6 5279.88,3279.88 v1(5290,3290)
  Bottom Layer w7: v1(5260,3560) 5290,3530 v1(5290,3290)
V33: C3.1 C6.2 C17.1 C18.1 R1.2 R2.2 R3.2 R6.1 U1.13 U2.62 U4.5 U5.1 U6.3 U6.7 U6.8 | length 3248.6
  Top Layer w10: C3.1 5156.97,4104.37 5175.51,4122.91 5189.74,4122.91 U1.13 ; v1(5500,3585) 5527.49,3585 U2.62 5563.28,3549.32 5590.79,3521.81 5605.16,3521.81 5610,3516.97 C6.2
  Top Layer w15: v1(5140,3805) v1(5140,3875) ; C18.1 U6.3
  Top Layer w20: U6.8 U6.7
  Bottom Layer w15: v1(5140,3805) 5140,3743.79 5148.79,3735 5270,3735 5330,3675 5330,3605 5335,3600 ; v1(5140,3875) 5140,4089.8 5155,4104.8 v1(5155,4105) 5155,4225 5200,4270 v1(5530,4270) ; R3.2 R1.2 ; C17.1 5282.66,3062.34 5266.87,3062.34 5242.8,3086.42 U4.5 5242.8,3163.54 5176.97,3229.37 R1.2 ; v1(5466.53,3324.2) 5466.53,3481.53 5520,3535 5520,3564.8 5500,3584.8 v1(5500,3585) 5499.8,3585 5499.42,3584.63 5350.37,3584.63 5335,3600 ; R1.2 R2.2 5145,3580 5165,3600 5335,3600
  Bottom Layer w20: v1(5530,4270) 5580,4220 5580,3851.24 5568.28,3839.53 5565.75,3839.53 5560,3833.78 U5.1
  other v1: 5580,3995
VBAT: C11.2 C15.1 J2.2 Q1.2 U2.3 U3.3 | length 2043.7
  Top Layer w10: U2.3 5563.17,3660.57 5543.38,3640.77 5543.38,3626.62 5567.48,3602.52 5590.88,3602.52 5604.79,3588.62 5630.75,3588.62 C11.2
  Top Layer w15: v1(5405,2875) 5405,2994.63 v1(5410.37,3000)
  Top Layer w20: v1(5585,3080) v1(5638.74,3080)
  Bottom Layer w15: U3.3@5367.5,2872.66 5413.25,2872.66 C15.1 ; Q1.2 5414.27,2995.73 5480.73,2995.73 5529.93,3044.93 5549.73,3044.93 5584.8,3080 v1(5585,3080) ; v1(5415,4345) 5575,4345 5610,4310 5610,3800 5635,3775 v1(5635,3585) 5635,3584.8 5638.74,3581.06 v1(5638.74,3080)
Vref: C4.2 R15.1 R16.1 R17.1 R18.1 R19.1 R20.1 R21.1 R22.1 U2.51 | length 849.9
  Top Layer w5: 5355.63,3115.63 R16.1 ; 5395,3115.63 R18.1 ; 5434.37,3115.63 R20.1 ; R22.1 5473.74,3118.04 5473.81,3117.97
  Top Layer w10: v1(5412.91,3454.1) 5413.3,3454.1 5440.57,3426.83 U2.51 5440.68,3426.94 5420.88,3446.74
  Top Layer w15: R15.1 5355.63,3115.63 R17.1 5395,3115.63 R19.1 5434.37,3115.63 R21.1 5456.4,3117.97 5473.81,3117.97 5491.21,3117.97 5500,3126.76 5500,3236.01 5472.16,3263.85 C4.2@5472.16,3267.16
  Bottom Layer w15: v1(5412.91,3454.1) 5412.91,3453.9 5440,3426.81 5440,3300.2 5467.16,3273.04 v1(5467.16,3272.16)
VSS: C1.2 C2.2 C3.2 C4.1 C5.1 C6.1 C7.2 C8.2 C9.2 C10.2 C11.1 C12.1 C13.1 C14.2 C15.2 C16.2 C17.2 C18.2 J1. J1.1 J1.12 J2. J2.1 J3. J3.1 Q3.2 R7.1 R8.2 R9.2 R12.2 R14.2 SW1.2 U1.18 U1.20 U1.25 U2.16 U2.61 U2.63 U3.2 U4.2 U5.8 U5.9 U5.10 U6.4 X1. | length 6638.3
  Top Layer w7: U1.18 5191.24,4045.67 5213,4045.67 U1.25@5227.32,4060
  Top Layer w10: C3.2@5161.81,4059.2 5176.68,4044.33 5189.74,4044.33 U1.18 ; U1.20 U1.25@5227.32,4060 ; U2.16 5434.3,3821.34 5434.3,3851.07 5433.61,3851.76 5433.61,3858.61 C13.1 ; J1.@5460,2885 5460,2881.14 5481.14,2860 5500.28,2860 5512.87,2872.6 5512.87,2907.13 5505,2915 5505,2915.66 5502.13,2918.54 5502.13,2962.87 5500,2965 ; U2.61 5551.92,3538.19 5522.98,3567.13 5483.73,3567.13 5475,3575.86 5475,3595 5485,3605 5529.76,3605 U2.63 5574.42,3560.46 5594.21,3540.66 5632.63,3540.66 C11.1@5636.97,3545 ; C10.2 5631.39,3618.61 5638.24,3618.61 5638.9,3619.27 5647.19,3619.27 5665,3601.46 v1(5665,3540) C11.1@5643.62,3540 ; C11.1 C11.1@5636.97,3545 ; C6.1 5644.53,3519.84 5644.53,3537.44 C11.1@5636.97,3545 ; C8.2@5650.32,3456.39 C6.1@5650.32,3515
  Top Layer w15: v1(5115,4330) 5115,4261.21 5130,4246.21 ; J1.@5119.45,2885 5119.45,3049.57 5127.15,3057.26 5159.43,3057.26 5163.74,3061.57 J1.1 ; C3.2 5138.79,4065 5130,4073.79 5130,4246.21 ; C1.2 5207.34,4227.34 5207.34,4246.21 5216.13,4255 ; v1(5206.57,2983.91) 5206.57,2923.43 5225,2905 5295,2905 5315,2925 ; C2.2 5275,4245 5265,4255 ; v1(5315,2990) 5315,2925 ; v1(5355,2910) 5330,2910 5315,2925 ; J1.12 5415.71,3061.57 5420.02,3057.26 5452.3,3057.26 5460,3049.57 5460,2975 5470,2965 5500,2965 5555,2965 ; C13.1 5435,3860.34 5457.16,3882.5 C12.1 5460.47,3882.84 5465.1,3887.47 5496.34,3887.47 5563.81,3820 5566,3817.81 5636.71,3817.81 v1(5637.11,3817.41) 5637.11,3822.89 5630,3830 U6.4 5630,4014.22 5655,4039.22 v1(5655,4335) 5581.56,4408.44 5547.85,4408.44 5514.02,4442.28 5514.02,4460 5264.02,4460 5264.02,4442.28 5336.48,4369.82 5356.16,4369.82 5364.41,4361.57 J2.1 5364.41,4330.08 5289.33,4255 5265,4255 ; v1(5495,3300) 5515,3320 ; X1.@5530.2,3424.8 5530.2,3413.13 5518.55,3401.49 5518.55,3384.23 C7.2 5517.16,3379.53 5515,3377.37 5515,3320 ; Q3.2 5583.2,3111.87 5556.87,3111.87 5542.48,3097.48 5542.48,2977.52 5555,2965 ; SW1.2 5593.25,2893.25 5593.25,2917.75 5603.79,2928.29 5612.66,2928.29 R14.2 ; 5590.37,2917.75 5590.37,2953.45 5578.82,2965 5555,2965 ; X1.@5610.93,3435.93 5622.3,3435.93 5639.97,3453.61 5644.22,3453.61 C8.2@5645.88,3451.95 ; C8.2 5648.93,3451.68 5647.82,3450.58 5660,3438.4 5660,3395.62 5602.2,3337.82 5584.38,3320 5515,3320 ; 5130,4246.21 5138.79,4255 5216.13,4255 ; 5216.13,4255 5265,4255
  Bottom Layer w12: 5289,3233.48 5296.48,3226 5296.48,3195.09 J3.1
  Bottom Layer w15: J1.@5119.45,2885 5119.45,2879.78 5131.26,2867.97 5157.66,2867.97 C14.2 R8.2 ; R12.2 5145,2986.97 5124.11,3007.86 5124.11,3044.9 5119.45,3049.57 5125.06,3055.18 5186.42,3055.18 5204.98,3036.62 U4.2 ; v1(5265,3370) 5265,3315.59 5235.95,3286.54 5235.95,3266.87 5267.82,3235 5415,3235 ; C17.2 5286.97,3020.63 5312.66,2994.94 5312.66,2992.34 v1(5315,2990) ; U3.2 5440.57,2909.65 5460,2890.22 J1.@5460,2885 ; v1(5415,3325) 5415,3235 ; J1.@5460,3049.57 5462.66,3052.22 5462.66,3124.63 5467.34,3129.31 5509.31,3129.31 5520,3140 J3.@5520,3252.5 ; v1(5637.11,3817.41) 5652.59,3817.41 5665,3805 v1(5665,3540) ; 5415,3235 5502.5,3235 J3.@5520,3252.5 ; J3.@5520,3252.5 5534.37,3266.87 5534.37,3286.34 5520,3271.97 J3.@5520,3252.5
  Bottom Layer w20: v1(5115,4330) 5115,3860 5135.47,3839.53 5204.25,3839.53 5210,3833.78 U5.8
X32I: C9.1 R5.1 U2.5 X2.2 | length 169
  Top Layer w7: U2.5 5540.9,3683.72 5566.52,3709.34 5566.52,3739.56 X2.2 5573.48,3753.48 C9.1 5630,3770 R5.1
X32O: C10.1 R5.2 U2.4 X2.1 | length 208.1
  Top Layer w7: U2.4 5552.03,3672.03 5575,3695 5588.19,3695 5605.35,3677.84 X2.1@5635,3677.84 ; C10.1 5635,3670.68 X2.1@5635,3677.84 ; R5.2 5657.84,3730.73 5635,3707.89 X2.1 X2.1@5635,3677.84
pads on no net: J1.3 J1.9 J1.10 J3.2 SW1.1@5630.28,2885 U1.1 U1.2 U1.3 U1.4 U1.5 U1.6 U1.7 U1.14 U1.15 U1.16 U1.17 U1.19 U1.21 U2.2 U2.6 U2.7 U2.8 U2.31 U2.32 U2.33 U2.34 U2.35 U2.36 U2.54 U2.55 U2.56 U2.64 U4.4

## Keep-outs
Keep-Out Layer:
  the board outline again, w10

## Silkscreen, mask and mechanical layers (free items; w line width, h text height)
Top Overlay:
  drawing of 740 lines, arcs and shapes, not listed

## Text inside footprints (layer, text, board x,y; h text height)
U5: Bottom Overlay "GND" at 5195.43,3867.8 h20 r270; Bottom Overlay "IRQ" at 5241.89,3873.7 h20 r270; Bottom Overlay "MISO" at 5293.46,3874.49 h20 r270; Bottom Overlay "MOSI" at 5344.65,3872.52 h20 r270; Bottom Overlay "SCK" at 5395.04,3871.73 h20 r270; Bottom Overlay "CSN" at 5447.01,3870.94 h20 r270; Bottom Overlay "CE" at 5496.22,3870.94 h20 r270; Bottom Overlay "VDD" at 5545.83,3867.8 h20 r270; Bottom Overlay "GND" at 5597.4,4301.46 h20 r270; Bottom Overlay "GND" at 5151.34,4301.06 h20 r270; Bottom Overlay "E01-ML01SP4" at 5368.43,4071.93 h20 r270